# Allegro board 8880F5-0824_updates.brd (continued)
## Placement (name value [footprint] x y rotation side) (continued)
NOREF#2161  -  []  256.45 164.74 0 top
NOREF#2162  -  []  306.71 152.34 0 top
NOREF#2163  -  []  410.78 131.89 0 top
NOREF#2164  -  []  251.62 264.35 90 top
NOREF#2165  -  []  200.98 255.15 90 top
NOREF#2166  -  []  451.64 222.5 0 top
NOREF#2167  -  []  381.74 297.12 0 top
NOREF#2168  -  []  209.08 256.4 90 top
NOREF#2169  -  []  383.09 257.11 0 top
NOREF#2170  -  []  262.68 163.52 90 top
NOREF#2171  -  []  324.9 288.91 90 top
NOREF#2172  -  []  192.57 256.4 90 top
NOREF#2173  -  []  412.79 209.06 90 top
NOREF#2174  -  []  327.25 265.56 90 top
NOREF#2175  -  []  106.11 234.24 0 top
NOREF#2176  -  []  272.25 189.82 0 top
NOREF#2177  -  []  388.43 180.15 0 top
NOREF#2178  -  []  199.33 240.28 0 top
NOREF#2179  -  []  395.67 133.16 90 top
NOREF#2180  -  []  459.24 219.3 90 top
NOREF#2181  -  []  330.74 164.72 0 top
NOREF#2182  -  []  165.8 240.28 90 top
NOREF#2183  -  []  302.11 180.71 0 top
NOREF#2184  -  []  388.43 146.88 0 top
NOREF#2185  -  []  407.67 129.99 90 top
NOREF#2186  -  []  473.6 206.05 90 top
NOREF#2187  -  []  167.7 217.55 90 top
NOREF#2188  -  []  495.08 257.36 90 top
NOREF#2189  -  []  305.83 264.31 0 top
NOREF#2190  -  []  284.77 146.93 90 top
NOREF#2191  -  []  251.38 224.74 90 top
NOREF#2192  -  []  331.05 204.65 90 top
NOREF#2193  -  []  184.47 233.47 90 top
NOREF#2194  -  []  407.77 255.47 0 top
NOREF#2195  -  []  22.16 130.26 90 top
NOREF#2196  -  []  275.82 296.86 0 top
NOREF#2197  -  []  317.98 223.82 90 top
NOREF#2198  -  []  265.64 135.19 0 top
NOREF#2199  -  []  395.2 233.11 0 top
NOREF#2200  -  []  297.83 234.63 90 top
NOREF#2201  -  []  257.9 246.35 90 top
NOREF#2202  -  []  127.3 228.02 90 top
NOREF#2203  -  []  184.47 231.27 90 top
NOREF#2204  -  []  375.73 199.18 90 top
NOREF#2205  -  []  96.58 195.15 0 top
NOREF#2206  -  []  241.82 167.13 90 top
NOREF#2207  -  []  240.83 254.63 0 top
NOREF#2208  -  []  201.23 217.55 90 top
NOREF#2209  -  []  379 272.56 90 top
NOREF#2210  -  []  406.94 131.34 90 top
NOREF#2211  -  []  472.86 174.55 90 top
NOREF#2212  -  []  352.25 185.5 0 top
NOREF#2213  -  []  351.34 241.37 0 top
NOREF#2214  -  []  177.33 201.29 90 top
NOREF#2215  -  []  403.41 209.61 0 top
NOREF#2216  -  []  317.98 163.82 90 top
NOREF#2217  -  []  463.11 186.77 0 top
NOREF#2218  -  []  369.38 257.11 0 top
NOREF#2219  -  []  258.1 288.86 0 top
NOREF#2220  -  []  449.99 217.9 0 top
NOREF#2221  -  []  473.7 219.66 90 top
NOREF#2222  -  []  390.59 195.9 90 top
NOREF#2223  -  []  310.83 224.63 0 top
NOREF#2224  -  []  251.33 140.14 0 top
NOREF#2225  -  []  319.15 296.86 0 top
NOREF#2226  -  []  225.83 204.31 0 top
NOREF#2227  -  []  253.4 205.56 90 top
NOREF#2228  -  []  321.82 167.13 90 top
NOREF#2229  -  []  250.49 223.52 90 top
NOREF#2230  -  []  327.7 131.09 90 top
NOREF#2231  -  []  101.82 287.84 90 top
NOREF#2232  -  []  352.55 243.91 0 top
NOREF#2233  -  []  257.09 163.52 90 top
NOREF#2234  -  []  103.93 235.64 90 top
NOREF#2235  -  []  127.55 184.33 90 top
NOREF#2236  -  []  333.72 264.65 90 top
NOREF#2237  -  []  261.63 173.83 90 top
NOREF#2238  -  []  420.88 129.99 90 top
NOREF#2239  -  []  250.74 224.74 0 top
NOREF#2240  -  []  380.59 222.95 0 top
NOREF#2241  -  []  339.33 205.56 0 top
NOREF#2242  -  []  121.9 231.22 0 top
NOREF#2243  -  []  377.23 241.16 90 top
NOREF#2244  -  []  318.32 131.64 0 top
NOREF#2245  -  []  261.63 233.83 90 top
NOREF#2246  -  []  254.29 265.56 90 top
NOREF#2247  -  []  192.57 174.36 90 top
NOREF#2248  -  []  252.83 265.86 90 top
NOREF#2249  -  []  263.95 164.74 90 top
NOREF#2250  -  []  351.04 189.82 0 top
NOREF#2251  -  []  201.49 151.93 90 top
NOREF#2252  -  []  337.9 246.99 0 top
NOREF#2253  -  []  199.33 240.28 90 top
NOREF#2254  -  []  116.01 214.71 0 top
NOREF#2255  -  []  201.23 192.32 90 top
NOREF#2256  -  []  182.57 199.39 90 top
NOREF#2257  -  []  463.61 179.15 0 top
NOREF#2258  -  []  272.25 243.59 90 top
NOREF#2259  -  []  83.77 247.51 90 top
NOREF#2260  -  []  107.02 179.19 0 top
NOREF#2261  -  []  310.73 193.69 0 top
NOREF#2262  -  []  340.61 286.96 90 top
NOREF#2263  -  []  390.53 163.64 0 top
NOREF#2264  -  []  312.21 131.64 0 top
NOREF#2265  -  []  167.7 247.18 90 top
NOREF#2266  -  []  36.1 131.91 0 top
NOREF#2267  -  []  238.3 163.52 90 top
NOREF#2268  -  []  167.7 229.07 90 top
NOREF#2269  -  []  397.57 131.89 0 top
NOREF#2270  -  []  319.15 288.86 0 top
NOREF#2271  -  []  259.65 205.86 90 top
NOREF#2272  -  []  371.73 281.11 0 top
NOREF#2273  -  []  118.33 271.33 90 top
NOREF#2274  -  []  194.09 242.18 90 top
NOREF#2275  -  []  386.53 148.15 90 top
NOREF#2276  -  []  327.25 205.55 0 top
NOREF#2277  -  []  262.36 296.86 0 top
NOREF#2278  -  []  468.01 214.96 0 top
NOREF#2279  -  []  406.95 131.44 90 top
NOREF#2280  -  []  192.57 201.79 90 top
NOREF#2281  -  []  167.7 132.72 0 top
NOREF#2282  -  []  352.93 288.86 90 top
NOREF#2283  -  []  184.47 159.65 0 top
NOREF#2284  -  []  201.23 247.18 90 top
NOREF#2285  -  []  199.59 203.01 90 top
NOREF#2286  -  []  224.65 211.67 0 top
NOREF#2287  -  []  419.47 289.12 90 top
NOREF#2288  -  []  333.4 264.35 90 top
NOREF#2289  -  []  383.09 289.12 0 top
NOREF#2290  -  []  251.05 264.65 90 top
NOREF#2291  -  []  309.21 183.09 0 top
NOREF#2292  -  []  423.61 188.92 90 top
NOREF#2293  -  []  400.85 281.11 0 top
NOREF#2294  -  []  471.21 175.95 90 top
NOREF#2295  -  []  392.47 256.56 90 top
NOREF#2296  -  []  397.8 146.43 90 top
NOREF#2297  -  []  269.94 135.19 0 top
NOREF#2298  -  []  237.83 197.63 0 top
NOREF#2299  -  []  415.61 185.72 90 top
NOREF#2300  -  []  310.73 246.66 0 top
NOREF#2301  -  []  167.7 204.09 90 top
NOREF#2302  -  []  473.79 191.06 90 top
NOREF#2303  -  []  395.2 297.12 0 top
NOREF#2304  -  []  239.33 183.63 90 top
NOREF#2305  -  []  451.68 186.77 0 top
NOREF#2306  -  []  354.08 286.96 90 top
NOREF#2307  -  []  296.96 192.14 0 top
NOREF#2308  -  []  401.89 163.64 0 top
NOREF#2309  -  []  124.1 238.84 0 top
NOREF#2310  -  []  475.04 195.66 0 top
NOREF#2311  -  []  378.33 257.11 90 top
NOREF#2312  -  []  319.33 243.63 90 top
NOREF#2313  -  []  412.62 273.37 0 top
NOREF#2314  -  []  388.66 139.89 0 top
NOREF#2315  -  []  209.33 228.97 90 top
NOREF#2316  -  []  226.85 211.67 0 top
NOREF#2317  -  []  222.67 298 90 top
NOREF#2318  -  []  127.99 214.79 0 top
NOREF#2319  -  []  381.2 274.38 90 top
NOREF#2320  -  []  155.57 275.14 90 top
NOREF#2321  -  []  331.05 265.86 90 top
NOREF#2322  -  []  166.06 162.12 90 top
NOREF#2323  -  []  216.96 240.71 0 top
NOREF#2324  -  []  108.01 195.15 0 top
NOREF#2325  -  []  249.85 224.74 0 top
NOREF#2326  -  []  118.96 174.04 90 top
NOREF#2327  -  []  330.73 205.55 0 top
NOREF#2328  -  []  405.17 131.89 0 top
NOREF#2329  -  []  398.65 225.11 0 top
NOREF#2330  -  []  401.52 210.88 90 top
NOREF#2331  -  []  303.15 271.32 90 top
NOREF#2332  -  []  329.6 163.52 90 top
NOREF#2333  -  []  328.96 224.74 0 top
NOREF#2334  -  []  298.13 214.06 0 top
NOREF#2335  -  []  465.81 214.96 0 top
NOREF#2336  -  []  201.66 186.02 90 top
NOREF#2337  -  []  284.79 272.65 90 top
NOREF#2338  -  []  394.66 274.38 90 top
NOREF#2339  -  []  199.08 254 0 top
NOREF#2340  -  []  352.24 243.59 90 top
NOREF#2341  -  []  453.84 222.5 0 top
NOREF#2342  -  []  339.65 265.86 90 top
NOREF#2343  -  []  373.83 192.28 90 top
NOREF#2344  -  []  184.47 151.68 90 top
NOREF#2345  -  []  165.8 158.5 0 top
NOREF#2346  -  []  410.78 131.89 0 top
NOREF#2347  -  []  310.73 253.69 0 top
NOREF#2348  -  []  326.43 288.41 90 top
NOREF#2349  -  []  379.01 272.66 90 top
NOREF#2350  -  []  408.88 133.16 90 top
NOREF#2351  -  []  411.26 179.6 90 top
NOREF#2352  -  []  222.11 252.14 0 top
NOREF#2353  -  []  259.97 264.35 90 top
NOREF#2354  -  []  473.79 239.64 0 top
NOREF#2355  -  []  404.4 241.16 90 top
NOREF#2356  -  []  352.24 184.86 90 top
NOREF#2357  -  []  258.61 131.69 90 top
NOREF#2358  -  []  410.27 257.37 0 top
NOREF#2359  -  []  107.02 174.04 90 top
NOREF#2360  -  []  398.65 297.12 0 top
NOREF#2361  -  []  106.76 215.26 0 top
NOREF#2362  -  []  400.85 265.37 0 top
NOREF#2363  -  []  175.8 228.97 90 top
NOREF#2364  -  []  405.5 289.12 90 top
NOREF#2365  -  []  223.15 211.32 90 top
NOREF#2366  -  []  93.76 290.38 90 top
NOREF#2367  -  []  392.04 273.11 90 top
NOREF#2368  -  []  165.8 171.96 0 top
NOREF#2369  -  []  528.1 276.41 90 top
NOREF#2370  -  []  330.51 288.86 0 top
NOREF#2371  -  []  118.7 182.93 90 top
NOREF#2372  -  []  237.98 163.82 90 top
NOREF#2373  -  []  168.69 292.55 90 top
NOREF#2374  -  []  199.33 185.42 0 top
NOREF#2375  -  []  277.17 288.86 0 top
NOREF#2376  -  []  265.81 296.86 0 top
NOREF#2377  -  []  351.04 249.18 0 top
NOREF#2378  -  []  248.21 132.69 90 top
NOREF#2379  -  []  405.93 288.57 90 top
NOREF#2380  -  []  184.47 206.29 90 top
NOREF#2381  -  []  346.27 135.17 90 top
NOREF#2382  -  []  338.36 288.91 90 top
NOREF#2383  -  []  330.74 224.72 0 top
NOREF#2384  -  []  217.83 174.63 90 top
NOREF#2385  -  []  218.13 274.06 0 top
NOREF#2386  -  []  412.24 144.98 90 top
NOREF#2387  -  []  371.73 273.11 0 top
NOREF#2388  -  []  461.86 230.75 0 top
NOREF#2389  -  []  419.9 288.57 90 top
NOREF#2390  -  []  331.94 205.86 90 top
NOREF#2391  -  []  262.68 164.74 90 top
NOREF#2392  -  []  352.25 244.86 90 top
NOREF#2393  -  []  343.31 164.74 0 top
NOREF#2394  -  []  246.23 233.13 0 top
NOREF#2395  -  []  381.86 129.99 0 top
NOREF#2396  -  []  392.73 171.64 0 top
NOREF#2397  -  []  165.8 254 0 top
NOREF#2398  -  []  301.56 242.89 0 top
NOREF#2399  -  []  103.93 235.64 0 top
NOREF#2400  -  []  383.09 241.11 0 top
NOREF#2401  -  []  230.73 183.41 0 top
NOREF#2402  -  []  184.47 165.4 90 top
NOREF#2403  -  []  415.61 185.72 90 top
NOREF#2404  -  []  230.73 186.66 0 top
NOREF#2405  -  []  310.43 193.37 90 top
NOREF#2406  -  []  184.47 200.54 0 top
NOREF#2407  -  []  272.55 183.91 0 top
NOREF#2408  -  []  118.33 286.94 90 top
NOREF#2409  -  []  463.61 222.58 0 top
NOREF#2410  -  []  374.88 217.11 0 top
NOREF#2411  -  []  259.65 264.65 90 top
NOREF#2412  -  []  390.53 146.88 0 top
NOREF#2413  -  []  167.7 256.5 90 top
NOREF#2414  -  []  201.23 187.92 90 top
NOREF#2415  -  []  328.33 247.93 0 top
NOREF#2416  -  []  223.56 233.86 90 top
NOREF#2417  -  []  329.6 164.74 90 top
NOREF#2418  -  []  200.98 255.15 0 top
NOREF#2419  -  []  251.62 205.56 90 top
NOREF#2420  -  []  329.85 164.74 0 top
NOREF#2421  -  []  465.81 171.53 0 top
NOREF#2422  -  []  328.96 224.72 0 top
NOREF#2423  -  []  184.47 242.78 90 top
NOREF#2424  -  []  175.7 175.56 90 top
NOREF#2425  -  []  167.7 173.11 90 top
NOREF#2426  -  []  396.28 163.69 90 top
NOREF#2427  -  []  373.87 188.15 0 top
NOREF#2428  -  []  167.7 219.75 90 top
NOREF#2429  -  []  272.25 242.32 90 top
NOREF#2430  -  []  420.15 131.34 90 top
NOREF#2431  -  []  184.47 176.66 90 top
NOREF#2432  -  []  460.89 217.9 90 top
NOREF#2433  -  []  279.7 155.38 0 top
NOREF#2434  -  []  352.25 189.18 90 top
NOREF#2435  -  []  334.29 205.56 90 top
NOREF#2436  -  []  215.96 248.49 0 top
NOREF#2437  -  []  419.9 240.56 90 top
NOREF#2438  -  []  168.13 186.02 90 top
NOREF#2439  -  []  165.8 144.78 90 top
NOREF#2440  -  []  313.98 143.89 90 top
NOREF#2441  -  []  393.31 131.89 90 top
NOREF#2442  -  []  461.96 217.98 0 top
NOREF#2443  -  []  252.51 204.35 90 top
NOREF#2444  -  []  343.31 164.72 0 top
NOREF#2445  -  []  166.06 216.47 90 top
NOREF#2446  -  []  313.56 144.34 90 top
NOREF#2447  -  []  167.7 242.78 90 top
NOREF#2448  -  []  388.43 180.15 0 top
NOREF#2449  -  []  405.93 256.82 90 top
NOREF#2450  -  []  352.55 181.37 0 top
NOREF#2451  -  []  229.21 186.34 0 top
NOREF#2452  -  []  127.81 175.44 90 top
NOREF#2453  -  []  272.25 241.69 0 top
NOREF#2454  -  []  167.7 219.75 90 top
NOREF#2455  -  []  383.09 273.11 0 top
NOREF#2456  -  []  300.01 288.31 90 top
NOREF#2457  -  []  271.04 185.5 0 top
NOREF#2458  -  []  201.23 201.89 90 top
NOREF#2459  -  []  295.96 188.49 0 top
NOREF#2460  -  []  409.17 249.11 0 top
NOREF#2461  -  []  471.11 230.2 0 top
NOREF#2462  -  []  184.47 145.93 90 top
NOREF#2463  -  []  209.33 201.79 90 top
NOREF#2464  -  []  185.2 290.01 90 top
NOREF#2465  -  []  295.19 271.65 90 top
NOREF#2466  -  []  201.49 174.46 90 top
NOREF#2467  -  []  209.23 195.52 90 top
NOREF#2468  -  []  352.24 181.05 90 top
NOREF#2469  -  []  422.7 163.64 0 top
NOREF#2470  -  []  182.82 148.4 90 top
NOREF#2471  -  []  313.98 131.09 90 top
NOREF#2472  -  []  237.66 164.74 0 top
NOREF#2473  -  []  483.04 239.09 0 top
NOREF#2474  -  []  229.05 211.67 0 top
NOREF#2475  -  []  394.05 271.21 0 top
NOREF#2476  -  []  404.15 289.12 0 top
NOREF#2477  -  []  287.91 280.1 0 top
NOREF#2478  -  []  230.43 246.34 90 top
NOREF#2479  -  []  369.38 224.6 0 top
NOREF#2480  -  []  377.23 289.12 0 top
NOREF#2481  -  []  397.38 146.88 90 top
NOREF#2482  -  []  247.34 133.41 90 top
NOREF#2483  -  []  182.82 230.19 90 top
NOREF#2484  -  []  210.6 255.9 90 top
NOREF#2485  -  []  451.68 195.91 0 top
NOREF#2486  -  []  167.7 241.43 90 top
NOREF#2487  -  []  167.7 206.29 90 top
NOREF#2488  -  []  465.31 186.77 0 top
NOREF#2489  -  []  401.89 163.64 0 top
NOREF#2490  -  []  201.23 241.43 90 top
NOREF#2491  -  []  387.08 154.88 0 top
NOREF#2492  -  []  456.08 230.2 0 top
NOREF#2493  -  []  245.15 288.66 90 top
NOREF#2494  -  []  342.04 164.72 0 top
NOREF#2495  -  []  124.35 187.53 0 top
NOREF#2496  -  []  273.09 288.31 90 top
NOREF#2497  -  []  250.73 205.56 0 top
NOREF#2498  -  []  343.98 288.86 0 top
NOREF#2499  -  []  184.47 173.11 90 top
NOREF#2500  -  []  425.2 161.74 90 top
NOREF#2501  -  []  106.76 215.26 0 top
NOREF#2502  -  []  336.77 163.82 90 top
NOREF#2503  -  []  122.44 171.1 0 top
NOREF#2504  -  []  127.55 191.95 90 top
NOREF#2505  -  []  258.2 186.67 0 top
NOREF#2506  -  []  219.76 297.18 0 top
NOREF#2507  -  []  352.55 249.5 0 top
NOREF#2508  -  []  124.61 178.64 0 top
NOREF#2509  -  []  118.7 222.88 0 top
NOREF#2510  -  []  377.48 273.16 90 top
NOREF#2511  -  []  352.24 249.18 90 top
NOREF#2512  -  []  271.04 189.82 0 top
NOREF#2513  -  []  310.43 186.34 90 top
NOREF#2514  -  []  119.95 187.53 0 top
NOREF#2515  -  []  303.84 288.86 0 top
NOREF#2516  -  []  303.15 211.32 90 top
NOREF#2517  -  []  165.8 144.78 0 top
NOREF#2518  -  []  351.34 249.5 0 top
NOREF#2519  -  []  292.74 288.86 0 top
NOREF#2520  -  []  352.24 183.59 90 top
NOREF#2521  -  []  252.51 264.35 90 top
NOREF#2522  -  []  262.36 165.04 90 top
NOREF#2523  -  []  310.43 248.88 90 top
NOREF#2524  -  []  262.04 224.72 0 top
NOREF#2525  -  []  229.21 247.61 0 top
NOREF#2526  -  []  127.84 167.9 90 top
NOREF#2527  -  []  199.33 199.39 0 top
NOREF#2528  -  []  115.61 219.13 90 top
NOREF#2529  -  []  352.25 243.59 90 top
NOREF#2530  -  []  456.04 179.06 0 top
NOREF#2531  -  []  340.83 174.63 90 top
NOREF#2532  -  []  230.43 188.88 90 top
NOREF#2533  -  []  456.08 239.34 0 top
NOREF#2534  -  []  252.51 205.55 0 top
NOREF#2535  -  []  373.32 164.66 90 top
NOREF#2536  -  []  409.49 163.64 0 top
NOREF#2537  -  []  184.89 159.1 90 top
NOREF#2538  -  []  271.31 288.86 0 top
NOREF#2539  -  []  230.43 247.61 90 top
NOREF#2540  -  []  272.24 244.86 90 top
NOREF#2541  -  []  259.65 265.86 90 top
NOREF#2542  -  []  167.7 163.2 90 top
NOREF#2543  -  []  381.2 226.12 90 top
NOREF#2544  -  []  413.2 164.91 90 top
NOREF#2545  -  []  254.61 205.86 90 top
NOREF#2546  -  []  184.89 145.38 90 top
NOREF#2547  -  []  333.72 205.86 90 top
NOREF#2548  -  []  320.42 139.64 0 top
NOREF#2549  -  []  325.92 131.64 0 top
NOREF#2550  -  []  251.94 265.86 90 top
NOREF#2551  -  []  246.63 142.04 0 top
NOREF#2552  -  []  369.63 273.11 0 top
NOREF#2553  -  []  389.7 209.36 0 top
NOREF#2554  -  []  411.01 209.61 0 top
NOREF#2555  -  []  247.25 205.56 0 top
NOREF#2556  -  []  352.25 244.23 0 top
NOREF#2557  -  []  310.43 249.52 0 top
NOREF#2558  -  []  343.95 224.74 90 top
NOREF#2559  -  []  225.83 264.31 0 top
NOREF#2560  -  []  460.89 174.46 90 top
NOREF#2561  -  []  295.96 188.49 0 top
NOREF#2562  -  []  346.08 296.86 0 top
NOREF#2563  -  []  461.86 230.75 0 top
NOREF#2564  -  []  378.33 224.6 90 top
NOREF#2565  -  []  175.7 154.88 90 top
NOREF#2566  -  []  317.98 165.04 90 top
NOREF#2567  -  []  313.98 131.19 90 top
NOREF#2568  -  []  327.25 204.35 90 top
NOREF#2569  -  []  339.97 264.35 90 top
NOREF#2570  -  []  271.56 288.91 90 top
NOREF#2571  -  []  388.43 146.88 0 top
NOREF#2572  -  []  400.34 194.68 90 top
R1  NC/1M-1-S4  [R0402]  221.23 227.84 180 bottom
R2  NC/1M-1-S4  [R0402]  218.95 227.84 0 bottom
R3  NC/100K-1-S4  [R0402]  184.15 131.06 180 bottom
R4  NC/100K-1-S4  [R0402]  181.61 131.06 180 bottom
R5  0-5-S4  [R0402]  222.38 272.16 270 bottom
R6  1M-1-S4  [R0402]  222.38 274.32 270 bottom
R7  49.9-1-S4  [R0402]  178.5 217.52 90 bottom
R8  49.9-1-S4  [R0402]  178.5 215.38 90 bottom
R9  49.9-1-S4  [R0402]  164.91 217.52 90 bottom
R10  49.9-1-S4  [R0402]  164.91 215.38 90 bottom
R11  49.9-1-S4  [R0402]  212.03 231.24 90 bottom
R12  49.9-1-S4  [R0402]  212.03 229.1 90 bottom
R13  49.9-1-S4  [R0402]  198.44 231.24 90 bottom
R14  49.9-1-S4  [R0402]  198.44 229.1 90 bottom
R15  49.9-1-S4  [R0402]  296.06 299.66 180 bottom
R16  49.9-1-S4  [R0402]  298.21 299.66 180 bottom
R17  49.9-1-S4  [R0402]  296.06 286.07 180 bottom
R18  49.9-1-S4  [R0402]  298.21 286.07 180 bottom
R19  49.9-1-S4  [R0402]  309.27 299.66 180 bottom
R20  49.9-1-S4  [R0402]  311.42 299.66 180 bottom
R21  49.9-1-S4  [R0402]  309.27 286.07 180 bottom
R22  49.9-1-S4  [R0402]  311.42 286.07 180 bottom
R23  49.9-1-S4  [R0402]  349.4 299.66 180 bottom
R24  49.9-1-S4  [R0402]  351.55 299.66 180 bottom
R25  49.9-1-S4  [R0402]  349.4 286.07 180 bottom
R26  49.9-1-S4  [R0402]  351.55 286.07 180 bottom
R27  49.9-1-S4  [R0402]  335.94 299.66 180 bottom
R28  49.9-1-S4  [R0402]  338.09 299.66 180 bottom
R29  49.9-1-S4  [R0402]  335.94 286.07 180 bottom
R30  49.9-1-S4  [R0402]  338.09 286.07 180 bottom
R31  49.9-1-S4  [R0402]  322.48 299.66 180 bottom
R32  49.9-1-S4  [R0402]  324.62 299.66 180 bottom
R33  49.9-1-S4  [R0402]  322.48 286.07 180 bottom
R34  49.9-1-S4  [R0402]  324.62 286.07 180 bottom
R37  49.9-1-S4  [R0402]  269.14 286.07 180 bottom
R38  49.9-1-S4  [R0402]  271.28 286.07 180 bottom
R39  49.9-1-S4  [R0402]  287.88 269.3 0 bottom
R40  49.9-1-S4  [R0402]  285.74 269.3 0 bottom
R41  49.9-1-S4  [R0402]  287.88 282.89 0 bottom
R42  49.9-1-S4  [R0402]  285.74 282.89 0 bottom
R43  49.9-1-S4  [R0402]  164.91 258.67 90 bottom
R44  49.9-1-S4  [R0402]  164.91 256.53 90 bottom
R45  49.9-1-S4  [R0402]  198.44 244.96 90 bottom
R46  49.9-1-S4  [R0402]  198.44 242.81 90 bottom
R47  49.9-1-S4  [R0402]  195.26 231.24 90 bottom
R48  49.9-1-S4  [R0402]  195.26 229.1 90 bottom
R49  49.9-1-S4  [R0402]  181.67 231.24 90 bottom
R50  49.9-1-S4  [R0402]  181.67 229.1 90 bottom
R51  49.9-1-S4  [R0402]  178.5 231.24 90 bottom
R52  49.9-1-S4  [R0402]  178.5 229.1 90 bottom
R53  49.9-1-S4  [R0402]  164.91 231.24 90 bottom
R54  49.9-1-S4  [R0402]  164.91 229.1 90 bottom
R55  49.9-1-S4  [R0402]  211.77 258.67 90 bottom
R56  49.9-1-S4  [R0402]  211.77 256.53 90 bottom
R57  49.9-1-S4  [R0402]  198.18 258.67 90 bottom
R58  49.9-1-S4  [R0402]  198.18 256.53 90 bottom
R59  49.9-1-S4  [R0402]  195.26 244.96 90 bottom
R60  49.9-1-S4  [R0402]  195.26 242.81 90 bottom
R61  49.9-1-S4  [R0402]  181.67 244.96 90 bottom
R62  49.9-1-S4  [R0402]  181.67 242.81 90 bottom
R63  49.9-1-S4  [R0402]  195.26 258.67 90 bottom
R64  49.9-1-S4  [R0402]  195.26 256.53 90 bottom
R65  49.9-1-S4  [R0402]  164.91 244.96 90 bottom
R66  49.9-1-S4  [R0402]  164.91 242.81 90 bottom
R67  49.9-1-S4  [R0402]  239.37 285.81 0 bottom
R68  49.9-1-S4  [R0402]  237.22 285.81 0 bottom
R69  49.9-1-S4  [R0402]  239.37 299.4 0 bottom
R70  49.9-1-S4  [R0402]  237.22 299.4 0 bottom
R71  49.9-1-S4  [R0402]  255.93 299.66 180 bottom
R72  49.9-1-S4  [R0402]  258.08 299.66 180 bottom
R73  49.9-1-S4  [R0402]  255.93 286.07 180 bottom
R74  49.9-1-S4  [R0402]  258.08 286.07 180 bottom
R75  49.9-1-S4  [R0402]  282.6 299.66 180 bottom
R76  49.9-1-S4  [R0402]  284.75 299.66 180 bottom
R77  49.9-1-S4  [R0402]  282.6 286.07 180 bottom
R78  49.9-1-S4  [R0402]  284.75 286.07 180 bottom
R79  49.9-1-S4  [R0402]  178.5 258.67 90 bottom
R80  49.9-1-S4  [R0402]  178.5 256.53 90 bottom
R82  4.7K-1-S4-WA  [R0402]  122.62 241.1 180 bottom
R83  4.7K-1-S4-WA  [R0402]  96.77 233.43 180 bottom
R84  4.7K-1-S4-WA  [R0402]  96.77 241.05 180 bottom
R85  100K-1-S4  [R0402]  113.79 230.12 180 bottom
R86  4.7K-1-S4-WA  [R0402]  93.33 207.46 180 bottom
R87  4.7K-1-S4-WA  [R0402]  104.14 203.31 180 bottom
R88  4.7K-1-S4-WA  [R0402]  101.6 203.31 180 bottom
R89  4.7K-1-S4-WA  [R0402]  89.03 207.41 0 bottom
R90  4.7K-1-S4-WA  [R0402]  101.6 215.5 180 bottom
R91  4.7K-1-S4-WA  [R0402]  99.06 215.5 180 bottom
R92  4.7K-1-S4-WA  [R0402]  96.52 215.5 180 bottom
R93  4.7K-1-S4-WA  [R0402]  93.33 221.18 180 bottom
R94  4.7K-1-S4-WA  [R0402]  104.25 216.86 0 bottom
R95  4.7K-1-S4-WA  [R0402]  101.7 216.91 180 bottom
R96  4.7K-1-S4-WA  [R0402]  89.27 221.18 0 bottom
R97  4.7K-1-S4-WA  [R0402]  101.7 229.1 180 bottom
R98  4.7K-1-S4-WA  [R0402]  99.16 229.1 180 bottom
R99  4.7K-1-S4-WA  [R0402]  96.62 229.1 180 bottom
R100  49.9-1-S4  [R0402]  181.67 258.67 90 bottom
R101  49.9-1-S4  [R0402]  181.67 256.53 90 bottom
R102  49.9-1-S4  [R0402]  212.03 244.96 90 bottom
R103  49.9-1-S4  [R0402]  212.03 242.81 90 bottom
R104  49.9-1-S4  [R0402]  178.5 244.96 90 bottom
R105  49.9-1-S4  [R0402]  178.5 242.81 90 bottom
R117  1K-1-S4  [R0402]  127.2 241.1 180 bottom
R118  NC/0-5-S4  [R0402]  230.41 245.39 180 bottom
R119  4.7K-1-S4-WA  [R0402]  127.25 233.43 0 bottom
R120  4.7K-1-S4-WA  [R0402]  127.25 225.81 0 bottom
R125  0-5-S4  [R0402]  123.19 224.54 180 bottom
R126  0-5-S4  [R0402]  127.25 224.54 180 bottom
R127  0-5-S4  [R0402]  122.94 216.92 180 bottom
R128  0-5-S4  [R0402]  127.51 216.92 180 bottom
R129  0-5-S4  [R0402]  221.23 229.11 180 bottom
R130  0-5-S4  [R0402]  218.95 229.11 0 bottom
R131  50-0.1-S4-HF-VI  [R0402]  223.77 243.33 90 bottom
R132  50-0.1-S4-HF-VI  [R0402]  216.15 243.33 90 bottom
R133  0-5-S4  [R0402]  222.38 276.48 90 bottom
RB1  10K-1-S6  [R0603]  212.47 13.59 0 bottom
RB2  10K-1-S6  [R0603]  212.47 12.06 0 bottom
S1_I2C  HDR-4X1-MR-A  [JP_4P_100_R90_V1]  62.99 209.04 270 top
S1_RST_N  HDR-2X1-M  [JP_2P_100]  115.82 232.41 270 bottom
S2_I2C  HDR-4X1-MR-A  [JP_4P_100_R90_V1]  497.33 203.45 270 top
S2_RST_N  HDR-2X1-M  [JP_2P_100]  463.04 233.43 90 bottom
S3_I2C  HDR-4X1-MR-A  [JP_4P_100_R90_V1]  75.69 209.04 270 top
S3_RST_N  HDR-2X1-M  [JP_2P_100]  116.08 188.72 270 bottom
S4_I2C  HDR-4X1-MR-A  [JP_4P_100_R90_V1]  511.3 203.45 270 top
S4_RST_N  HDR-2X1-M  [JP_2P_100]  463.04 189.99 90 bottom
SB1  SHORT  [DEFAULT_SHORT_SMALL]  402.59 11.04 90 top
SB2  SHORT  [DEFAULT_SHORT_SMALL]  328.93 417.83 270 top
SB3  SHORT  [DEFAULT_SHORT_SMALL]  255.27 11.71 90 top
SB8  SHORT  [DEFAULT_SHORT_SMALL]  179.07 418.32 270 top
SCREW1  V93KMFHOLE  [PG_VG93K_F_FULLOUTLINE]  290.83 214.63 0 top
SH1  SHORT  [DEFAULT_SHORT_SMALL]  185.19 290.72 0 top
SH2  SHORT  [DEFAULT_SHORT_SMALL]  187.14 290.72 0 top
SH3  SHORT  [DEFAULT_SHORT_SMALL]  175.35 290.72 0 top
SH4  SHORT  [DEFAULT_SHORT_SMALL]  173.4 290.85 180 top
SH5  SHORT  [DEFAULT_SHORT_SMALL]  118.2 289.45 0 top
SH6  SHORT  [DEFAULT_SHORT_SMALL]  116.25 289.58 180 top
SH7  SHORT  [DEFAULT_SHORT_SMALL]  168.68 290.72 0 top
SH8  SHORT  [DEFAULT_SHORT_SMALL]  156.89 290.85 180 top
SH9  SHORT  [DEFAULT_SHORT_SMALL]  170.63 290.72 0 top
SH10  SHORT  [DEFAULT_SHORT_SMALL]  158.84 290.72 0 top
SH11  SHORT  [DEFAULT_SHORT_SMALL]  173.4 274.34 180 top
SH12  SHORT  [DEFAULT_SHORT_SMALL]  185.19 274.21 0 top
SH13  SHORT  [DEFAULT_SHORT_SMALL]  203.14 290.72 0 top
SH14  SHORT  [DEFAULT_SHORT_SMALL]  201.19 290.72 0 top
SH15  SHORT  [DEFAULT_SHORT_SMALL]  189.4 290.85 180 top
SH16  SHORT  [DEFAULT_SHORT_SMALL]  191.35 290.72 0 top
SH17  SHORT  [DEFAULT_SHORT_SMALL]  156.89 274.34 180 top
SH18  SHORT  [DEFAULT_SHORT_SMALL]  168.68 274.21 0 top
SH19  SHORT  [DEFAULT_SHORT_SMALL]  99.42 246.45 0 top
SH20  SHORT  [DEFAULT_SHORT_SMALL]  101.62 246.45 0 top
SH21  SHORT  [DEFAULT_SHORT_SMALL]  94.56 246.5 0 top
SH22  SHORT  [DEFAULT_SHORT_SMALL]  96.76 246.5 0 top
SH23  SHORT  [DEFAULT_SHORT_SMALL]  201.19 274.21 0 top
SH24  SHORT  [DEFAULT_SHORT_SMALL]  203.37 274.08 180 top
SH25  SHORT  [DEFAULT_SHORT_SMALL]  175.35 274.21 0 top
SH26  SHORT  [DEFAULT_SHORT_SMALL]  187.14 274.21 0 top
SH27  SHORT  [DEFAULT_SHORT_SMALL]  158.84 274.21 0 top
SH28  SHORT  [DEFAULT_SHORT_SMALL]  170.63 274.21 0 top
SITE1  CU/HX8880-F05-LQFP176-20X20  [SK_LQFP176P_0P4MM_JG_HX8880]  250.83 244.63 90 top
SITE2  CU/HX8880-F05-LQFP176-20X20  [SK_LQFP176P_0P4MM_JG_HX8880]  330.83 244.63 90 top
SITE3  CU/HX8880-F05-LQFP176-20X20  [SK_LQFP176P_0P4MM_JG_HX8880]  250.83 184.63 90 top
SITE4  CU/HX8880-F05-LQFP176-20X20  [SK_LQFP176P_0P4MM_JG_HX8880]  330.83 184.63 90 top
SKB  Socket_Base_M5_140x140  [SOCKET_BASE_140X140_565100]  290.83 214.63 0 top